# Altium PCB Evaluation Board.PcbDoc (part 10 of 22)
Units mm, origin at the board's own origin, x right, y up, seen from the top; angles counter-clockwise.
Board outline 200 x 200 mm, 4 copper layers (Top Layer, GND, Power, Bottom Layer), stack 1.56 mm thick; 639 components, 758 nets, 3043 pads, 1306 vias.
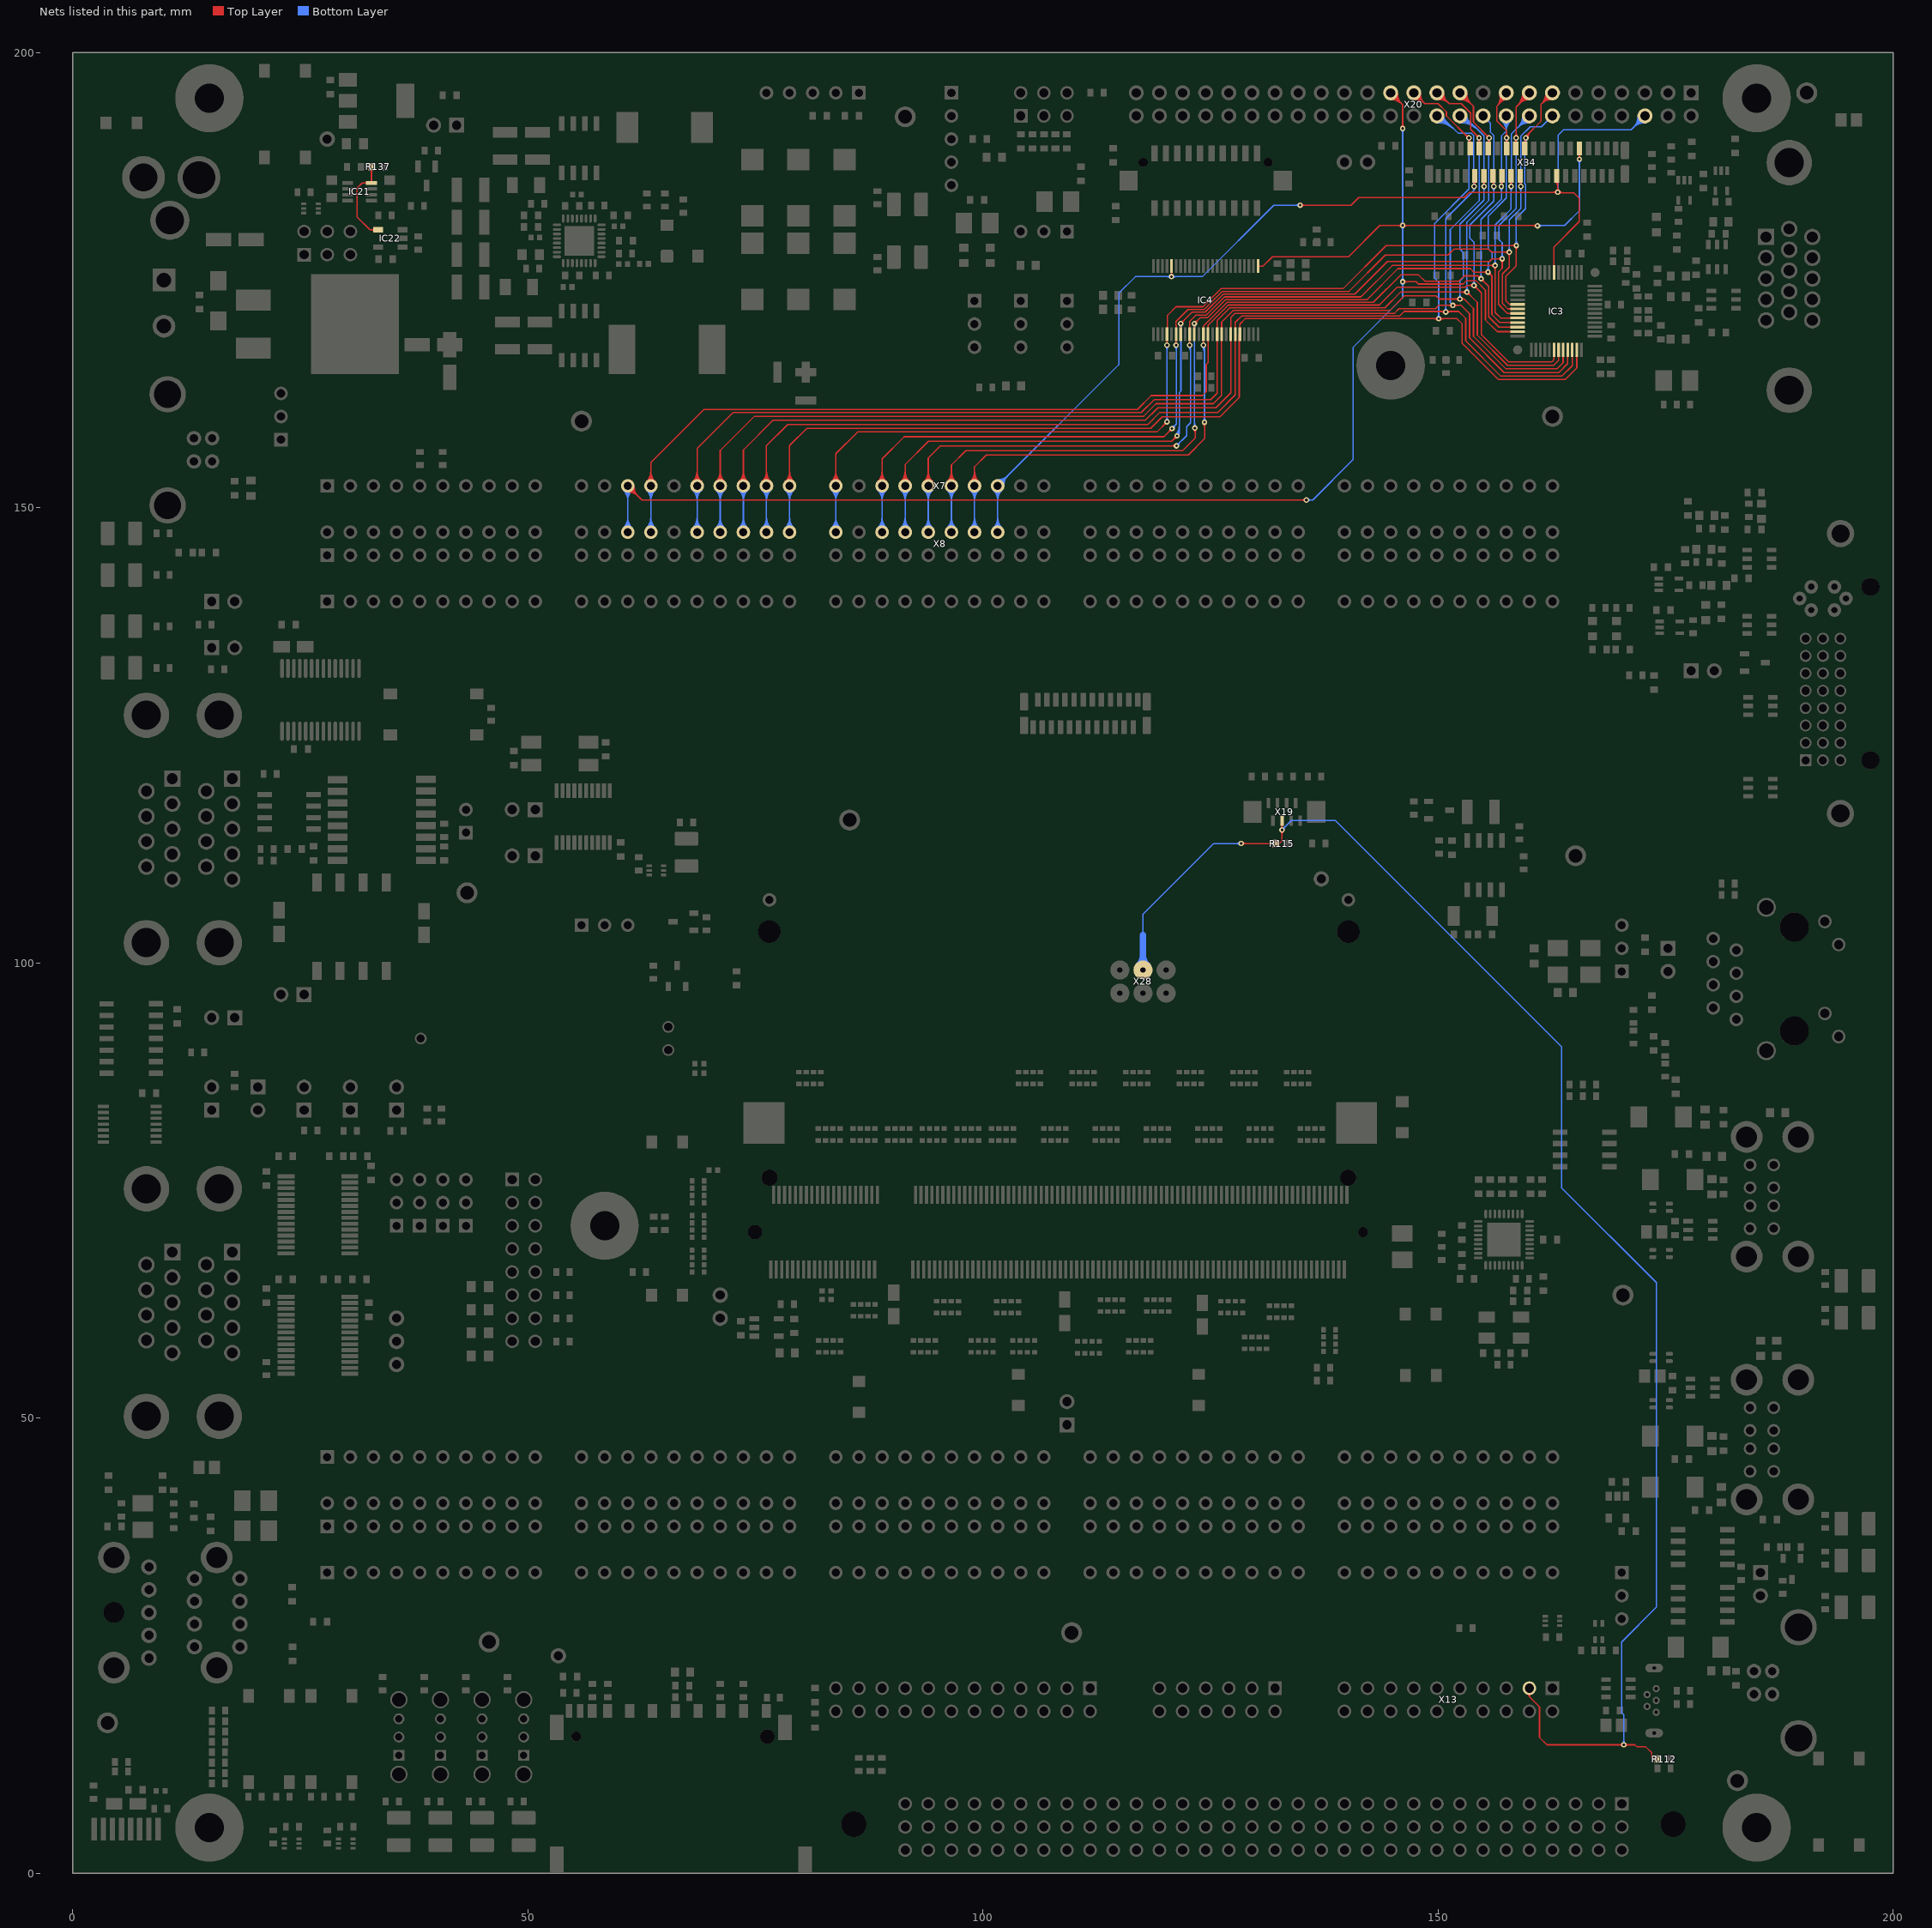
[diagram p12: the nets of this part, all layers, seen from the top]

## Via types
v1: diameter 0.6, hole 0.3, Top Layer to Bottom Layer, 1222 vias
v2: diameter 0.6, hole 0.3, Top Layer to Bottom Layer, tented both sides, 84 vias

## Nets (pads, with @x,y where several pads share a name; then routed paths per layer and width w, separated by ;. In a path a pad name is that pad's centre, name@x,y a point inside that pad or via, vN(x,y) a via of type N, cw(c..) or ccw(c..) an arc to the next point about the centre after c; other vN are vias at no path point) (continued)
JTAG_TRST#: R112.1 R115.2 X13.3 X19.5 X28.4 | length 183.4
  Top Layer w0.15: v1(128.35,113.113) R115.2@132.117,113.113 132.563,113.113 ; v1@128.509,112.954 cw(c128.893,112.57) 128.893,113.113 cw(c128.893,113.656) v1@128.509,113.272 ; R115.2@131.94,112.936 ccw(c131.513,112.509) 131.513,113.113 ccw(c131.513,113.717) R115.2@131.94,113.29 ; R115.2@132.33,112.983 cw(c132.563,112.84) 132.563,113.113 ; R115.2@132.33,113.243 ccw(c132.563,113.386) 132.563,113.113 ; v1@132.687,114.45 cw(c132.303,114.066) 132.846,114.066 cw(c133.389,114.066) v1@133.005,114.45 ; X19.5@132.758,115.148 cw(c132.544,114.934) 132.846,114.934 cw(c133.148,114.934) X19.5@132.934,115.148 ; X19.5@132.846,115.611 v1(132.846,114.609) 132.846,113.396 132.563,113.113 ; X13.3@159.804,19.68 cw(c159.703,19.38) 160.02,19.38 ; X13.3@160.174,20.474 X13.3@160.02,20.32 160.02,19.38 ; X13.3@160.236,19.68 ccw(c160.337,19.38) 160.02,19.38 ; v1@170.241,13.938 ccw(c169.857,13.554) 169.857,14.097 ccw(c169.857,14.64) v1@170.241,14.256 ; v1@170.445,14.052 v1(170.4,14.097) ; v1@170.559,13.938 cw(c170.943,13.554) 170.943,14.097 cw(c170.943,14.64) v1@170.559,14.256 ; R112.1@173.868,12.403 ccw(c173.645,12.271) 173.645,12.53 ; R112.1@173.868,12.657 cw(c173.645,12.789) 173.645,12.53 ; R112.1@174.083,12.53 173.645,12.53 ; 160.02,19.38 161.138,18.263 161.138,14.91 161.95,14.097 v1(170.4,14.097) ; v1(170.4,14.097) 171.603,14.097 171.825,13.875 172.819,13.875 173.474,13.22 173.474,12.701 173.645,12.53
  Bottom Layer w0.15: 117.572,103.073 117.572,105.347 125.325,113.1 v1@128.35,113.1 ; 127.775,113.1 ccw(c127.775,113.688) v1@128.191,113.272 ; 127.838,113.1 cw(c127.838,112.601) v1@128.191,112.954 ; v1@132.846,114.659 132.87,114.659 133.861,115.65 138.7,115.65 163.575,90.775 163.575,75.275 173.975,64.875 173.975,29.225 170.15,25.4 170.15,17.645 170.4,17.395 v1(170.4,14.097) ; v1@132.846,114.834 ccw(c132.846,115.315) 133.186,114.975 ; v1@133.071,114.609 cw(c133.676,114.609) 133.248,115.037 ; v1@170.241,14.256 ccw(c169.857,14.64) 170.4,14.64 ccw(c170.943,14.64) v1@170.559,14.256
  Bottom Layer w0.7: X28.4@117.077,99.711 ccw(c115.882,100.906) 117.572,100.906 ccw(c119.262,100.906) X28.4@118.067,99.711 ; X28.4@117.572,99.217 117.572,103.073
KILL#: IC21.8 IC22.4 R137.2 | length 12.4
  Top Layer w0.15: IC21.8@32.308,185.595 ccw(c32.094,185.382) 32.094,185.684 ccw(c32.094,185.986) IC21.8@32.308,185.772 ; R137.2@32.626,187.175 cw(c32.199,186.748) 32.803,186.748 cw(c33.407,186.748) R137.2@32.98,187.175 ; IC21.8@32.718,185.772 ccw(c32.511,185.978) 32.803,185.978 ; 32.803,185.993 ccw(c33.115,185.993) IC21.8@32.894,185.772 ; R137.2@32.803,187.452 32.803,185.687 IC21.8@32.806,185.684 31.785,185.684 31.225,185.124 31.225,181.932 32.629,180.528 IC22.4@33.524,180.528 ; IC22.4@33.115,180.369 ccw(c32.731,179.985) 32.731,180.528 ccw(c32.731,181.071) IC22.4@33.115,180.687
LCD_BIAS: IC3.11 IC4.25 X7.13 X8.B13 X20.27 X34.32 | length 230.2
  Top Layer w0.15: X7.13@60.96,151.725 cw(c60.96,150.095) 62.112,151.248 cw(c63.265,152.4) X7.13@61.635,152.4 ; X7.13@60.96,151.875 cw(c60.96,150.608) 61.856,151.504 cw(c62.752,152.4) X7.13@61.485,152.4 ; X7.13@60.96,152.025 cw(c60.96,151.12) 61.6,151.76 cw(c62.24,152.4) X7.13@61.335,152.4 ; X7.13@60.96,152.4 62.51,150.85 v1(135.525,150.85) ; IC4.25@130.21,176.546 130.764,176.546 131.792,177.575 140.161,177.575 143.586,181 160.907,181 v1@160.909,180.998 ; IC4.25@130.263,176.493 cw(c130.391,176.365) 130.391,176.546 cw(c130.391,176.727) IC4.25@130.263,176.599 ; v1@135.366,150.691 ccw(c134.982,150.307) 134.982,150.85 ccw(c134.982,151.393) v1@135.366,151.009 ; X20.27@144.78,194.83 cw(c144.78,193.019) 146.06,194.3 cw(c147.341,195.58) X20.27@145.53,195.58 ; X20.27@144.78,194.98 cw(c144.78,193.531) 145.804,194.556 cw(c146.829,195.58) X20.27@145.38,195.58 ; X20.27@144.78,195.13 cw(c144.78,194.044) 145.548,194.812 cw(c146.316,195.58) X20.27@145.23,195.58 ; X20.27@144.78,195.58 146.101,194.259 v1(146.101,191.668) ; 145.557,181 ccw(c145.557,181.545) v1@145.942,181.159 ; 145.559,181 cw(c145.559,180.458) v1@145.942,180.841 ; v1@145.942,191.827 ccw(c145.558,192.212) 146.101,192.212 ccw(c146.644,192.212) v1@146.26,191.827 ; v1(146.1,174.825) 147.575,174.825 147.824,174.576 152.751,174.576 153.119,174.944 154.154,174.944 155.2,173.898 155.2,170.627 156.485,169.342 IC3.11@158.731,169.342 ; v1@146.259,174.666 cw(c146.643,174.282) 146.643,174.825 cw(c146.643,175.368) v1@146.259,174.984 ; v1@146.26,180.841 cw(c146.643,180.458) 146.643,181 ; v1@146.26,181.159 ccw(c146.645,181.545) 146.645,181 ; IC3.11@158.028,169.289 ccw(c157.9,169.161) 157.9,169.342 ccw(c157.9,169.523) IC3.11@158.028,169.395 ; 160.305,181 cw(c160.305,180.371) v1@160.75,180.816 ; 160.426,181 ccw(c160.426,181.458) v1@160.75,181.134 ; X34.32@165.357,188.851 cw(c164.973,188.467) 165.516,188.467 cw(c166.059,188.467) X34.32@165.675,188.851 ; v2@165.516,188.301 X34.32@165.516,189.46
  Bottom Layer w0.15: X8.B13@60.483,147.797 ccw(c59.33,148.95) 60.96,148.95 ccw(c62.59,148.95) X8.B13@61.437,147.797 ; X7.13@60.483,151.923 cw(c59.33,150.77) 60.96,150.77 cw(c62.59,150.77) X7.13@61.437,151.923 ; X8.B13@60.589,147.691 ccw(c59.693,148.587) 60.96,148.587 ccw(c62.227,148.587) X8.B13@61.331,147.691 ; X7.13@60.589,152.029 cw(c59.693,151.133) 60.96,151.133 cw(c62.227,151.133) X7.13@61.331,152.029 ; X8.B13@60.695,147.585 ccw(c60.055,148.225) 60.96,148.225 ccw(c61.865,148.225) X8.B13@61.225,147.585 ; X7.13@60.695,152.135 cw(c60.055,151.495) 60.96,151.495 cw(c61.865,151.495) X7.13@61.225,152.135 ; X8.B13@60.96,147.32 X7.13@60.96,152.4 ; v1(135.525,150.85) 136.225,150.85 140.64,155.265 140.64,167.607 146.1,173.067 v1(146.1,174.825) v1(146.101,191.668) ; v1@135.684,150.691 cw(c136.068,150.307) 136.068,150.85 cw(c136.068,151.393) v1@135.684,151.009 ; v1@145.941,174.666 cw(c145.557,174.282) 146.1,174.282 cw(c146.643,174.282) v1@146.259,174.666 ; v1@145.941,174.984 ccw(c145.557,175.368) 146.1,175.368 ccw(c146.643,175.368) v1@146.259,174.984 ; v1@145.942,180.841 cw(c145.56,180.459) 146.1,180.459 ; v1@145.942,181.159 ccw(c145.56,181.542) 146.1,181.542 ; v1@145.942,191.509 cw(c145.56,191.127) 146.1,191.127 ; 146.1,180.455 cw(c146.646,180.455) v1@146.26,180.841 ; 146.1,181.546 ccw(c146.646,181.546) v1@146.26,181.159 ; 146.1,191.123 cw(c146.646,191.123) v1@146.26,191.509 ; v1(160.909,180.975) 160.934,181 163.881,181 165.516,182.636 v2(165.516,188.29) ; v1@161.068,180.816 cw(c161.514,180.37) 161.514,181 ; v1@161.068,181.134 ccw(c161.391,181.457) 161.391,181 ; v2@165.357,188.131 cw(c164.973,187.747) 165.516,187.747 cw(c166.059,187.747) v2@165.675,188.131
  other v1: 146.101,181
LCD_D_0: IC3.18 IC4.13 X7.14 X8.B14 X20.20 X34.13 | length 172.1
  Top Layer w0.15: X7.14@63.023,152.877 ccw(c61.87,154.03) 63.5,154.03 ccw(c65.13,154.03) X7.14@63.977,152.877 ; X7.14@63.129,152.771 ccw(c62.233,153.667) 63.5,153.667 ccw(c64.767,153.667) X7.14@63.871,152.771 ; X7.14@63.235,152.665 ccw(c62.595,153.305) 63.5,153.305 ccw(c64.405,153.305) X7.14@63.765,152.665 ; X7.14@63.5,152.4 63.5,154.965 69.332,160.797 116.947,160.797 118.475,162.325 124.1,162.325 124.516,162.741 124.516,165.723 124.735,165.942 124.735,169.021 IC4.13@124.71,169.046 124.71,170.024 126.951,172.264 143.537,172.264 145.486,174.213 152.956,174.213 153.162,174.419 v1(153.937,174.419) 154.75,173.606 154.75,169.025 157.75,166.025 162.5,166.025 162.731,166.256 IC3.18@162.731,167.342 ; IC4.13@124.657,168.393 cw(c124.469,168.205) 124.735,168.205 ; IC4.13@124.657,169.699 ccw(c124.529,169.827) 124.71,169.827 ccw(c124.891,169.827) IC4.13@124.763,169.699 ; v1@153.778,174.26 ccw(c153.394,173.876) 153.394,174.419 ccw(c153.394,174.962) v1@153.778,174.578 ; v1@153.937,174.194 cw(c153.937,173.651) 154.321,174.035 cw(c154.705,174.419) v1@154.162,174.419 ; X34.13@155.865,185.843 cw(c155.369,185.295) v1@156.108,185.295 ; X34.13@155.966,185.954 cw(c155.675,185.633) 156.108,185.633 ; v1@156.108,185.301 X34.13@156.108,186.46 ; 156.108,185.69 cw(c156.336,185.69) X34.13@156.175,185.851 ; IC3.18@162.678,166.639 cw(c162.55,166.511) 162.731,166.511 cw(c162.913,166.511) IC3.18@162.785,166.639
  Bottom Layer w0.15: X8.B14@63.023,147.797 ccw(c61.87,148.95) 63.5,148.95 ccw(c65.13,148.95) X8.B14@63.977,147.797 ; X7.14@63.023,151.923 cw(c61.87,150.77) 63.5,150.77 cw(c65.13,150.77) X7.14@63.977,151.923 ; X8.B14@63.129,147.691 ccw(c62.233,148.587) 63.5,148.587 ccw(c64.767,148.587) X8.B14@63.871,147.691 ; X7.14@63.129,152.029 cw(c62.233,151.133) 63.5,151.133 cw(c64.767,151.133) X7.14@63.871,152.029 ; X8.B14@63.235,147.585 ccw(c62.595,148.225) 63.5,148.225 ccw(c64.405,148.225) X8.B14@63.765,147.585 ; X7.14@63.235,152.135 cw(c62.595,151.495) 63.5,151.495 cw(c64.405,151.495) X7.14@63.765,152.135 ; X8.B14@63.5,147.32 X7.14@63.5,152.4 ; v1@153.778,174.578 ccw(c153.394,174.962) 153.937,174.962 ccw(c154.48,174.962) v1@154.096,174.578 ; v1(153.937,174.419) 153.937,179.15 153.475,179.612 153.475,181.05 156.108,183.683 v1(156.108,185.29) 156.125,185.307 156.125,190.889 155.753,191.262 155.753,192.227 X20.20@154.94,193.04 ; v1@155.949,185.131 cw(c155.565,184.747) 156.108,184.747 cw(c156.652,184.747) v1@156.267,185.131 ; v1@155.949,185.449 ccw(c155.524,185.874) 156.125,185.874 ; 156.125,185.792 ccw(c156.611,185.792) v1@156.267,185.449
LCD_D_1: IC3.19 IC4.15 X7.16 X8.B16 X20.21 X34.12 | length 178.9
  Top Layer w0.15: X7.16@68.103,152.877 ccw(c66.95,154.03) 68.58,154.03 ccw(c70.21,154.03) X7.16@69.057,152.877 ; X7.16@68.209,152.771 ccw(c67.313,153.667) 68.58,153.667 ccw(c69.847,153.667) X7.16@68.951,152.771 ; X7.16@68.315,152.665 ccw(c67.675,153.305) 68.58,153.305 ccw(c69.485,153.305) X7.16@68.845,152.665 ; X7.16@68.58,152.4 68.58,156.489 72.541,160.45 117.381,160.45 118.806,161.875 125,161.875 125.71,162.585 IC4.15@125.71,169.046 125.71,170.566 127.108,171.964 144.151,171.964 145.875,173.688 v1(153.162,173.688) 154.3,172.55 154.3,168.975 157.625,165.65 162.7,165.65 163.231,166.181 IC3.19@163.231,167.342 ; IC4.15@125.657,168.393 cw(c125.529,168.265) 125.71,168.265 cw(c125.891,168.265) IC4.15@125.763,168.393 ; IC4.15@125.657,169.699 ccw(c125.529,169.827) 125.71,169.827 ccw(c125.891,169.827) IC4.15@125.763,169.699 ; X20.21@152.4,194.83 cw(c152.4,193.019) 153.68,194.3 cw(c154.961,195.58) X20.21@153.15,195.58 ; X20.21@152.4,194.98 cw(c152.4,193.531) 153.424,194.556 cw(c154.449,195.58) X20.21@153,195.58 ; X20.21@152.4,195.13 cw(c152.4,194.044) 153.168,194.812 cw(c153.936,195.58) X20.21@152.85,195.58 ; X20.21@152.4,195.58 153.873,194.107 153.873,192.357 v1(155.6,190.63) ; v1@153.003,173.529 ccw(c152.619,173.145) 152.619,173.688 ccw(c152.619,174.231) v1@153.003,173.847 ; v1@153.162,173.463 cw(c153.162,172.92) 153.546,173.304 cw(c153.93,173.688) v1@153.387,173.688 ; X34.12@155.361,190.073 ccw(c154.834,190.63) v1(155.6,190.63) ; v1@155.375,190.63 ccw(c154.832,190.63) 155.216,191.014 ccw(c155.6,191.398) v1@155.6,190.855 ; X34.12@155.464,189.964 ccw(c155.164,190.281) 155.6,190.281 ; X34.12@155.6,189.46 v1(155.6,190.63) ; 155.6,190.249 ccw(c155.855,190.249) X34.12@155.675,190.069 ; IC3.19@163.178,166.639 cw(c163.05,166.511) 163.231,166.511 cw(c163.413,166.511) IC3.19@163.284,166.639
  Bottom Layer w0.15: X8.B16@68.103,147.797 ccw(c66.95,148.95) 68.58,148.95 ccw(c70.21,148.95) X8.B16@69.057,147.797 ; X7.16@68.103,151.923 cw(c66.95,150.77) 68.58,150.77 cw(c70.21,150.77) X7.16@69.057,151.923 ; X8.B16@68.209,147.691 ccw(c67.313,148.587) 68.58,148.587 ccw(c69.847,148.587) X8.B16@68.951,147.691 ; X7.16@68.209,152.029 cw(c67.313,151.133) 68.58,151.133 cw(c69.847,151.133) X7.16@68.951,152.029 ; X8.B16@68.315,147.585 ccw(c67.675,148.225) 68.58,148.225 ccw(c69.485,148.225) X8.B16@68.845,147.585 ; X7.16@68.315,152.135 cw(c67.675,151.495) 68.58,151.495 cw(c69.485,151.495) X7.16@68.845,152.135 ; X8.B16@68.58,147.32 X7.16@68.58,152.4 ; v1@153.003,173.847 ccw(c152.619,174.231) 153.162,174.231 ccw(c153.705,174.231) v1@153.321,173.847 ; 153.15,174.775 153.162,174.787 153.162,181.362 155.567,183.767 155.567,190.596 v1(155.6,190.63) ; v1(153.162,173.688) 153.162,174.784 ; v1@155.441,190.471 cw(c155.139,190.168) 155.567,190.168 ; 155.567,190.005 cw(c156.225,190.005) v1@155.759,190.471
LCD_D_2: IC3.20 IC4.16 X7.17 X8.B17 X20.22 X34.11 | length 176.8
  Top Layer w0.15: X7.17@70.643,152.877 ccw(c69.49,154.03) 71.12,154.03 ccw(c72.75,154.03) X7.17@71.597,152.877 ; X7.17@70.749,152.771 ccw(c69.853,153.667) 71.12,153.667 ccw(c72.387,153.667) X7.17@71.491,152.771 ; X7.17@70.855,152.665 ccw(c70.215,153.305) 71.12,153.305 ccw(c72.025,153.305) X7.17@71.385,152.665 ; X7.17@71.12,152.4 71.12,156.286 74.884,160.05 117.631,160.05 119.006,161.425 125.3,161.425 126.17,162.295 126.17,169.006 IC4.16@126.21,169.046 126.213,169.049 126.213,170.409 127.468,171.664 144.689,171.664 146.3,173.275 149.756,173.275 150.107,172.923 v1(152.387,172.923) 152.852,172.923 ; IC4.16@126.157,169.699 ccw(c126.023,169.834) 126.213,169.834 ; 126.17,168.169 cw(c126.487,168.169) IC4.16@126.263,168.393 ; 126.213,169.821 ccw(c126.385,169.821) IC4.16@126.263,169.699 ; v1@152.228,172.764 ccw(c151.844,172.38) 151.844,172.923 ccw(c151.844,173.466) v1@152.228,173.082 ; v1@152.564,172.784 cw(c152.852,172.556) 152.852,172.923 ; v1@152.564,173.063 ccw(c152.852,173.29) 152.852,172.923 ; X34.11@154.857,185.851 cw(c154.411,185.405) v1@155.042,185.405 ; v1@155.042,185.301 X34.11@155.042,186.46 ; v1@155.042,185.529 cw(c155.497,185.529) X34.11@155.175,185.851 ; IC3.20@163.678,166.639 cw(c163.55,166.511) 163.731,166.511 cw(c163.913,166.511) IC3.20@163.785,166.639 ; IC3.20@163.731,167.342 163.731,165.931 163.05,165.25 157.45,165.25 153.875,168.825 153.875,171.9 152.852,172.923
  Bottom Layer w0.15: X8.B17@70.643,147.797 ccw(c69.49,148.95) 71.12,148.95 ccw(c72.75,148.95) X8.B17@71.597,147.797 ; X7.17@70.643,151.923 cw(c69.49,150.77) 71.12,150.77 cw(c72.75,150.77) X7.17@71.597,151.923 ; X8.B17@70.749,147.691 ccw(c69.853,148.587) 71.12,148.587 ccw(c72.387,148.587) X8.B17@71.491,147.691 ; X7.17@70.749,152.029 cw(c69.853,151.133) 71.12,151.133 cw(c72.387,151.133) X7.17@71.491,152.029 ; X8.B17@70.855,147.585 ccw(c70.215,148.225) 71.12,148.225 ccw(c72.025,148.225) X8.B17@71.385,147.585 ; X7.17@70.855,152.135 cw(c70.215,151.495) 71.12,151.495 cw(c72.025,151.495) X7.17@71.385,152.135 ; X8.B17@71.12,147.32 X7.17@71.12,152.4 ; v1@152.228,173.082 ccw(c151.844,173.466) 152.387,173.466 ccw(c152.93,173.466) v1@152.546,173.082 ; v1(152.387,172.923) 152.387,174.9 152.775,175.288 152.775,178.021 152.387,178.409 152.387,181.162 155.021,183.796 155.021,190.847 152.828,193.04 X20.22@152.4,193.04 ; X20.22@152.4,192.29 cw(c152.4,189.447) 154.411,191.457 ; X20.22@152.4,192.44 cw(c152.4,189.959) 154.155,191.713 ; X20.22@152.4,192.59 cw(c152.4,190.471) 153.898,191.969 ; X20.22@152.4,192.74 cw(c152.4,190.983) 153.642,192.225 ; X20.22@152.4,192.89 cw(c152.4,191.495) 153.386,192.481 ; X20.22@153.15,193.04 ccw(c153.928,193.04) 153.378,192.49 ; v1@154.883,185.131 cw(c154.549,184.798) 155.021,184.798 ; v1@154.883,185.449 ccw(c154.549,185.783) 155.021,185.783 ; 155.021,184.696 cw(c155.636,184.696) v1@155.201,185.131 ; 155.021,185.884 ccw(c155.636,185.884) v1@155.201,185.449
  other v1: 155.042,185.29
LCD_D_3: IC3.21 IC4.18 X7.18 X8.B18 X20.23 X34.10 | length 176.1
  Top Layer w0.15: X7.18@73.183,152.877 ccw(c72.03,154.03) 73.66,154.03 ccw(c75.29,154.03) X7.18@74.137,152.877 ; X7.18@73.289,152.771 ccw(c72.393,153.667) 73.66,153.667 ccw(c74.927,153.667) X7.18@74.031,152.771 ; X7.18@73.395,152.665 ccw(c72.755,153.305) 73.66,153.305 ccw(c74.565,153.305) X7.18@73.925,152.665 ; X7.18@73.66,152.4 73.66,156.337 76.923,159.6 117.831,159.6 119.206,160.975 125.575,160.975 127.22,162.62 127.22,169.036 IC4.18@127.21,169.046 127.21,170.873 127.702,171.364 145.202,171.364 145.713,171.875 149.7,171.875 150.062,172.237 151.601,172.237 v1(151.613,172.226) 152.524,172.226 153.45,171.3 153.45,168.65 157.25,164.85 163.25,164.85 164.231,165.832 IC3.21@164.231,167.342 ; IC4.18@127.157,168.393 cw(c127.004,168.24) 127.22,168.24 ; IC4.18@127.157,169.699 ccw(c127.029,169.827) 127.21,169.827 ccw(c127.391,169.827) IC4.18@127.263,169.699 ; 127.22,168.29 cw(c127.366,168.29) IC4.18@127.263,168.393 ; X20.23@149.86,195.58 150.012,195.58 151.206,194.386 ; X20.23@149.892,195.282 cw(c149.976,194.488) 150.54,195.052 ; X20.23@149.907,195.133 cw(c150.018,194.087) 150.762,194.83 ; X20.23@149.923,194.983 cw(c150.061,193.685) 150.984,194.608 ; X20.23@149.939,194.834 cw(c150.104,193.284) 151.206,194.386 ; X20.23@150.31,195.58 ccw(c151.028,195.58) 150.52,195.072 ; X20.23@150.46,195.58 ccw(c151.541,195.58) 150.777,194.816 ; X20.23@150.61,195.58 ccw(c152.053,195.58) 151.033,194.56 ; 151.042,172.237 cw(c151.042,171.656) v1@151.454,172.067 ; 151.096,172.237 ccw(c151.096,172.742) v1@151.454,172.385 ; v1@151.772,172.067 cw(c152.156,171.683) 152.156,172.226 cw(c152.156,172.769) v1@151.772,172.385 ; 154.097,191.049 cw(c153.678,190.63) v1@154.27,190.63 ; 154.146,190.999 ccw(c154.495,191.348) v1@154.495,190.855 ; X34.10@154.357,190.069 ccw(c153.973,190.453) 154.516,190.453 ccw(c155.059,190.453) X34.10@154.675,190.069 ; X34.10@154.516,189.471 154.516,190.63 153.573,191.573 153.573,193.352 152.539,194.386 151.206,194.386 ; IC3.21@164.178,166.639 cw(c164.05,166.511) 164.231,166.511 cw(c164.413,166.511) IC3.21@164.284,166.639
  Bottom Layer w0.15: X8.B18@73.183,147.797 ccw(c72.03,148.95) 73.66,148.95 ccw(c75.29,148.95) X8.B18@74.137,147.797 ; X7.18@73.183,151.923 cw(c72.03,150.77) 73.66,150.77 cw(c75.29,150.77) X7.18@74.137,151.923 ; X8.B18@73.289,147.691 ccw(c72.393,148.587) 73.66,148.587 ccw(c74.927,148.587) X8.B18@74.031,147.691 ; X7.18@73.289,152.029 cw(c72.393,151.133) 73.66,151.133 cw(c74.927,151.133) X7.18@74.031,152.029 ; X8.B18@73.395,147.585 ccw(c72.755,148.225) 73.66,148.225 ccw(c74.565,148.225) X8.B18@73.925,147.585 ; X7.18@73.395,152.135 cw(c72.755,151.495) 73.66,151.495 cw(c74.565,151.495) X7.18@73.925,152.135 ; X8.B18@73.66,147.32 X7.18@73.66,152.4 ; v1(151.613,172.226) 151.332,172.506 151.332,180.557 154.495,183.721 v1(154.495,190.63) ; v1@154.336,190.471 cw(c153.952,190.087) 154.495,190.087 cw(c155.039,190.087) v1@154.655,190.471
LCD_D_4: IC3.22 IC4.19 X7.19 X8.B19 X20.24 X34.9 | length 175.7
  Top Layer w0.15: X7.19@75.723,152.877 ccw(c74.57,154.03) 76.2,154.03 ccw(c77.83,154.03) X7.19@76.677,152.877 ; X7.19@75.829,152.771 ccw(c74.933,153.667) 76.2,153.667 ccw(c77.467,153.667) X7.19@76.571,152.771 ; X7.19@75.935,152.665 ccw(c75.295,153.305) 76.2,153.305 ccw(c77.105,153.305) X7.19@76.465,152.665 ; X7.19@76.2,152.4 76.2,156.82 78.53,159.15 118.106,159.15 119.431,160.475 125.8,160.475 127.71,162.385 IC4.19@127.71,169.046 127.71,170.357 128.418,171.064 145.769,171.064 146.266,171.562 152.263,171.562 153.025,170.8 153.025,168.325 156.9,164.45 163.575,164.45 164.731,165.607 IC3.22@164.731,167.342 ; IC4.19@127.657,168.393 cw(c127.529,168.265) 127.71,168.265 cw(c127.891,168.265) IC4.19@127.763,168.393 ; IC4.19@127.657,169.699 ccw(c127.529,169.827) 127.71,169.827 ccw(c127.891,169.827) IC4.19@127.763,169.699 ; 150.147,171.562 cw(c150.147,170.81) v1@150.679,171.342 ; 150.442,171.562 ccw(c150.442,171.896) v1@150.679,171.66 ; 150.509,171.562 cw(c150.509,171.172) v1@150.785,171.448 ; v1@150.891,171.448 cw(c151.167,171.172) 151.167,171.562 ; v1@150.997,171.342 cw(c151.529,170.81) 151.529,171.562 ; v1@150.997,171.66 ccw(c151.234,171.896) 151.234,171.562 ; X34.9@153.857,185.851 cw(c153.634,185.628) 153.949,185.628 ; v1@153.949,185.301 X34.9@153.949,186.46 ; v1@153.949,185.306 cw(c154.72,185.306) X34.9@154.175,185.851 ; 153.949,185.668 cw(c154.358,185.668) X34.9@154.069,185.957 ; IC3.22@164.678,166.639 cw(c164.55,166.511) 164.731,166.511 cw(c164.913,166.511) IC3.22@164.785,166.639